# Altium PCB CL-HC-M-V2.1gerber.PcbDoc (part 5 of 18) (continued)
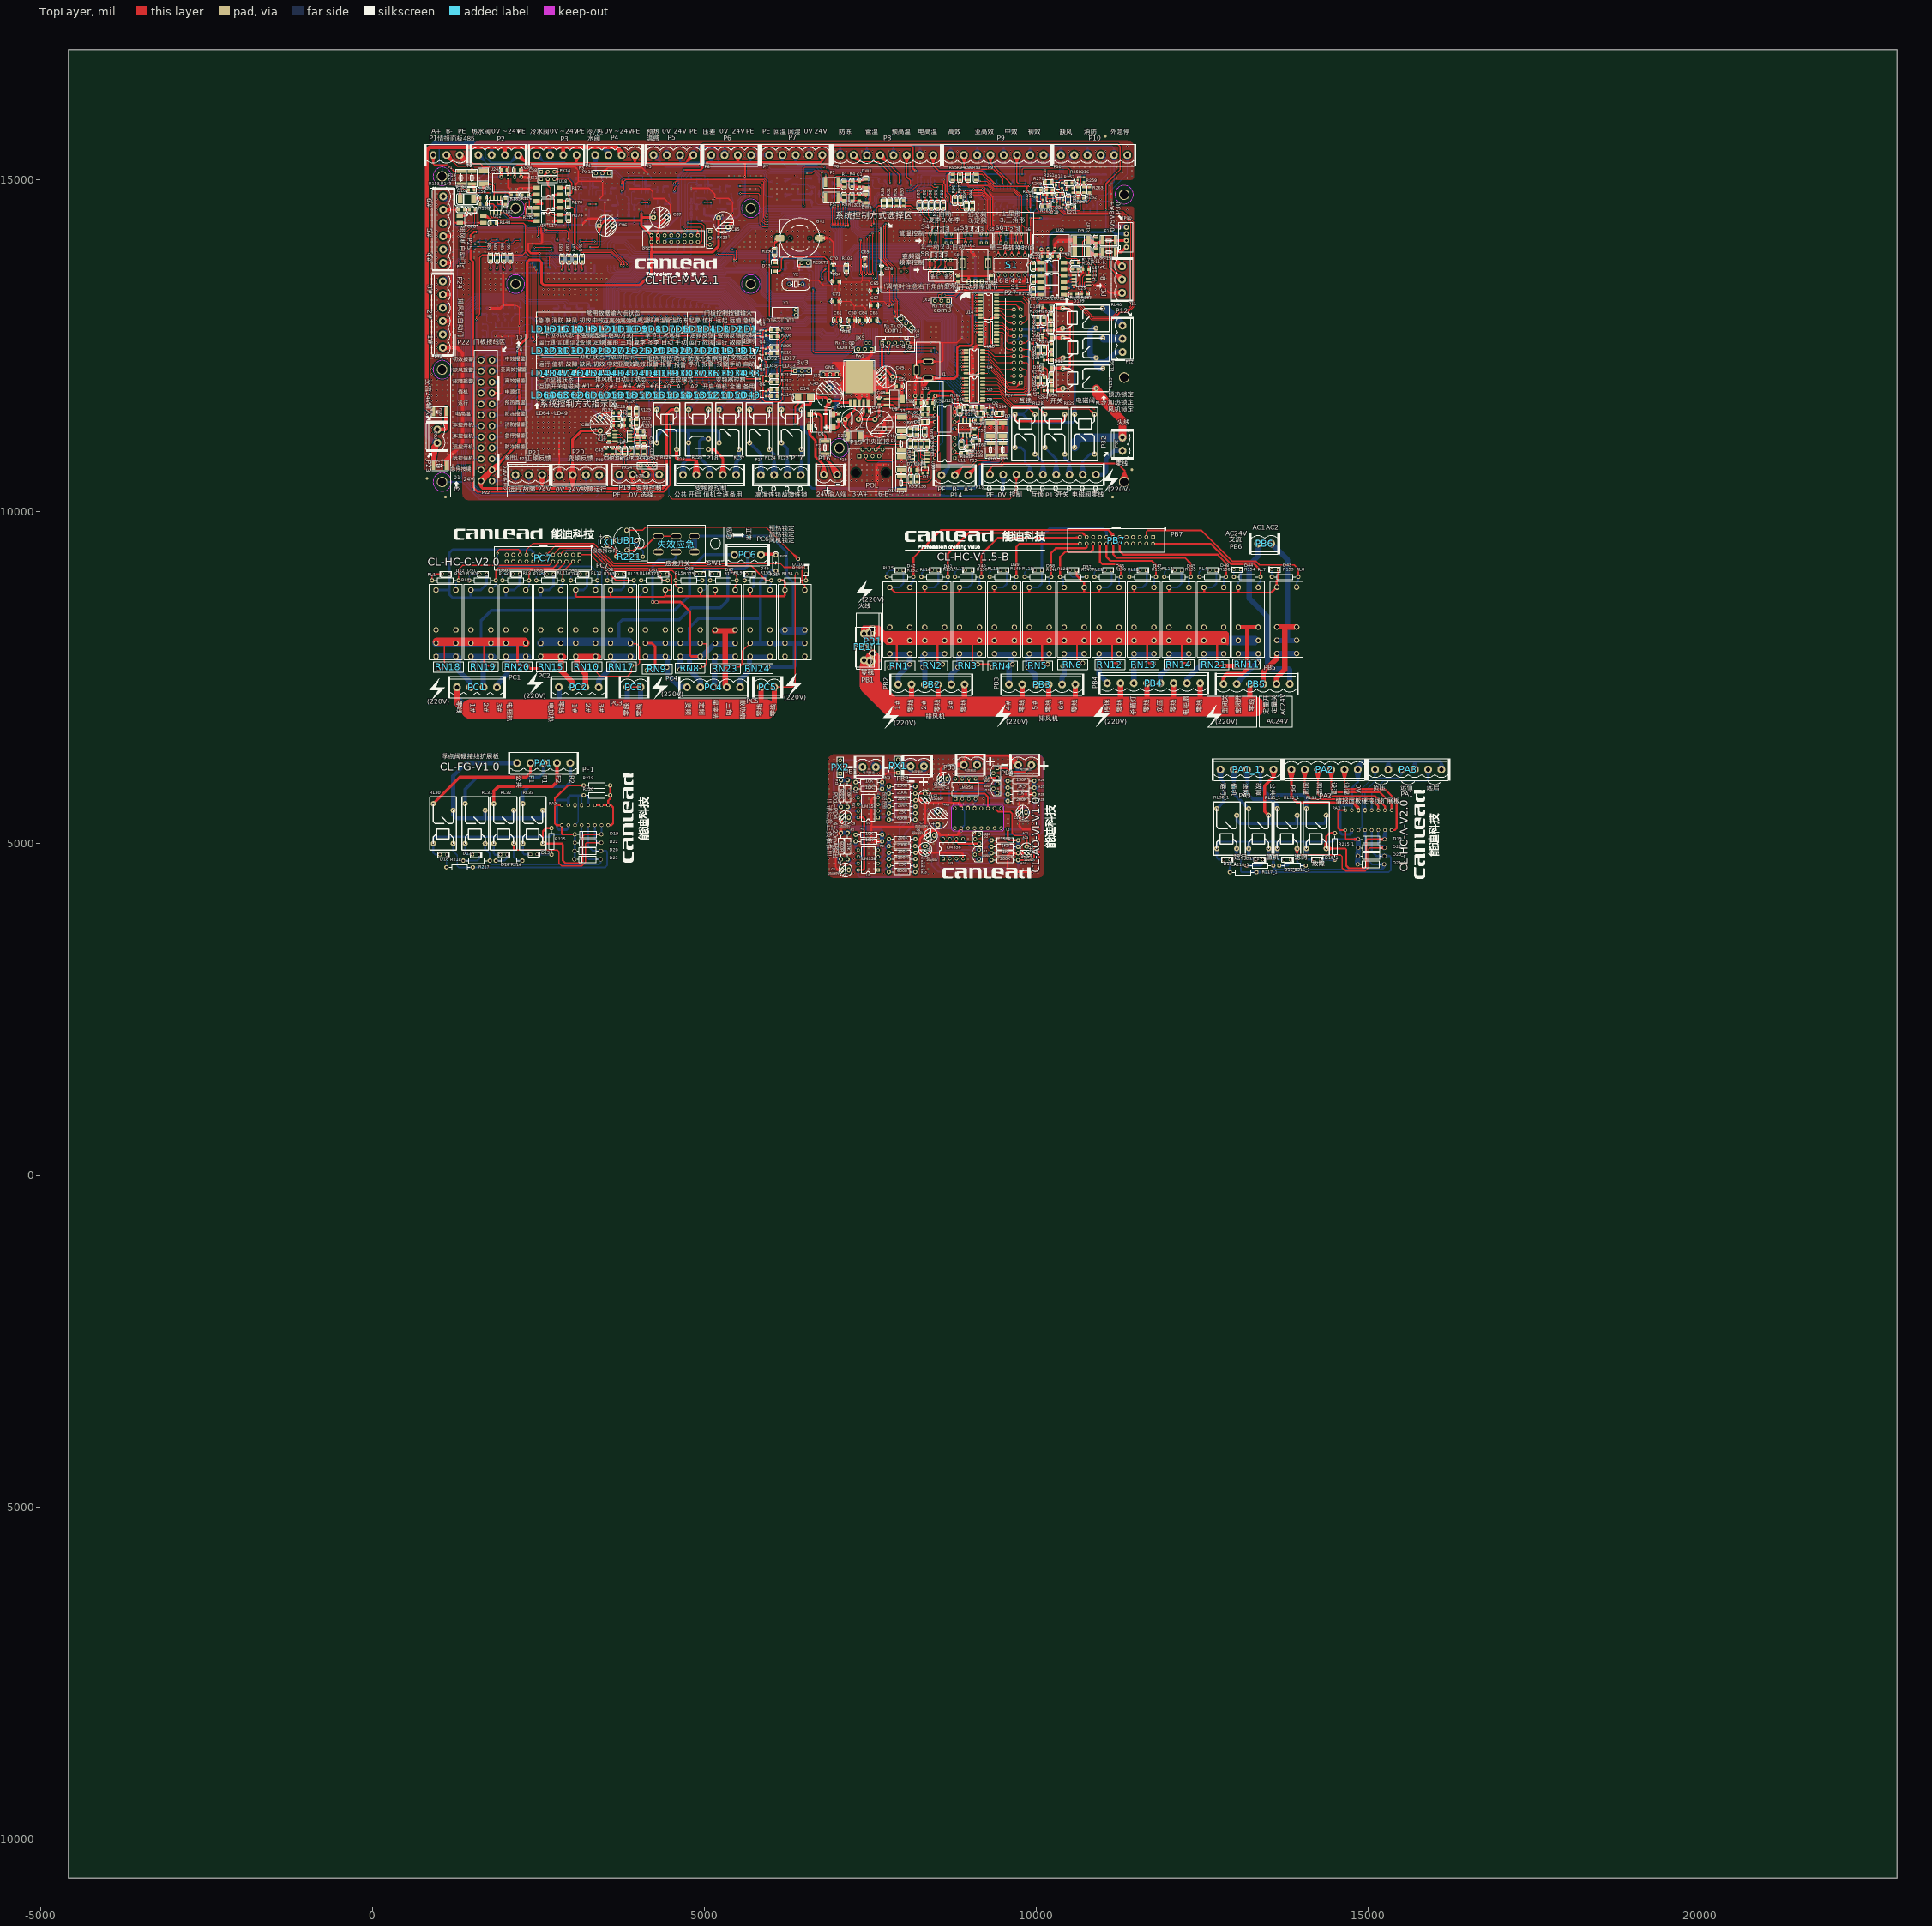
[diagram p0: TopLayer view]
## Nets (pads, with @x,y where several pads share a name; then routed paths per layer and width w, separated by ;. In a path a pad name is that pad's centre, name@x,y a point inside that pad or via, vN(x,y) a via of type N, cw(c..) or ccw(c..) an arc to the next point about the centre after c; other vN are vias at no path point) (continued)
  BottomLayer w10: v1@8476.24,14353.59 8483.71,14395.43 v1@8491.18,14353.59 ; v1@8476.24,14429.3 8483.71,14387.46 v1@8491.18,14429.3 ; v1(8483.71,14352.93) v1(8483.71,14429.96)
  BottomLayer w15: U29.13@8367.38,14748.36 v1@8367.38,14823.61 ; U29.13@8367.38,14766.4 v1(8367.09,14823.9) ; v1(8367.09,14823.9) v1@8367.38,14823.61 ; v1(8367.09,14823.9) 8367.38,14773.36 v1@8367.38,14823.61
3V<-本地值机: OP6.14 R150.1@1647.87,12729.49 U2.5@2362.38,12770.5 | length 1626
  BottomLayer w10: R150.1@1647.87,12729.49 1706.2,12729.49 1722.72,12712.97 1722.72,12528.11 1751.57,12499.27 1886.17,12499.27 1899.37,12512.46 ; R150.1@1650.12,12714.66 1697.87,12729.49 R150.1@1650.12,12744.32 ; OP6.14@1889.39,12610.84 1897.45,12655.17 ; OP6.14@1889.46,12548.83 1899.37,12512.46 ; OP6.14@1899.37,12550.16 1899.37,12512.46 ; OP6.14@1899.37,12610.16 1897.45,12655.17 ; OP6.14@1909.25,12611.69 1897.45,12655.17 ; OP6.14@1909.28,12548.83 1899.37,12512.46 ; U2.5@2335.8,12780.37 2292.36,12768.36 ; U2.5@2336.74,12760.52 2292.36,12768.36 ; U2.5@2337.38,12770.5 2292.36,12768.36 ; U2.5@2362.38,12770.5 2362.38,12768.36 2272.34,12768.36 2216.62,12712.64 1915.28,12712.64 1897.45,12694.8 1897.45,12580.04 OP6.14@1899.37,12580.16 1899.37,12512.46
3V<-本地运行: OP6.16 R149.1@1648.79,12826.25 U2.6@2362.38,12820.5 | length 1584.8
  BottomLayer w10: R149.1@1648.79,12826.25 1713.71,12826.25 1743.15,12796.8 1743.15,12599.39 1762.38,12580.16 ; R149.1@1651.04,12811.42 1698.79,12826.25 R149.1@1651.04,12841.08 ; OP6.16@1789.39,12610.84 1797.45,12655.17 ; OP6.16@1798.02,12570.25 1762.38,12580.16 ; OP6.16@1798.02,12590.06 1762.38,12580.16 ; OP6.16@1799.37,12610.16 1797.45,12655.17 ; OP6.16@1809.25,12611.69 1797.45,12655.17 ; U2.6@2335.78,12830.37 2292.87,12818.36 ; U2.6@2336.73,12810.52 2292.87,12818.36 ; U2.6@2337.38,12820.5 2292.87,12818.36 ; U2.6@2362.38,12820.5 2362.38,12818.36 2292.87,12818.36 ; 1762.38,12580.16 OP6.16@1797.45,12580.16 ; 1762.38,12580.16 OP6.16@1799.37,12580.16 OP6.16@1797.45,12580.16 ; OP6.16@1797.45,12580.16 1797.45,12701.45 1826.63,12730.64 2205.14,12730.64 2292.87,12818.36
3V<-远值使能: OP6.10 R152.1@1650.89,12557.35 U2.3@2362.38,12670.5 | length 1500
  BottomLayer w10: R152.1@1636.05,12550.1 1650.89,12502.35 ; R152.1@1650.89,12552.35 1650.89,12502.35 ; R152.1@1650.89,12557.35 1650.89,12495.44 1683.06,12463.27 1984.24,12463.27 2023.79,12502.81 2083.1,12502.81 2097.06,12516.78 ; R152.1@1665.72,12550.1 1650.89,12502.35 ; OP6.10@2089.4,12549.35 2097.06,12516.78 ; OP6.10@2089.43,12611.27 2099.37,12655.16 ; OP6.10@2097.06,12598.36 2097.06,12516.78 ; OP6.10@2099.37,12550.16 2097.06,12516.78 ; OP6.10@2099.37,12580.16 2099.37,12659.03 2116.35,12676.01 2266.15,12676.01 2273.79,12668.36 2362.38,12668.36 U2.3@2362.38,12670.5 ; OP6.10@2099.37,12610.16 2099.37,12655.16 ; OP6.10@2109.13,12547.98 2097.06,12516.78 ; OP6.10@2109.31,12611.27 2099.37,12655.16 ; U2.3@2335.79,12680.37 2292.36,12668.36 ; U2.3@2336.74,12660.52 2292.36,12668.36 ; U2.3@2337.38,12670.5 2292.36,12668.36
3V<-远起使能: OP6.12 R151.1@1648.79,12634.75 U2.4@2362.38,12720.5 | length 1643.6
  BottomLayer w10: R151.1@1648.79,12634.75 1693.07,12634.75 ; R151.1@1651.33,12619.96 1693.07,12634.75 ; R151.1@1651.33,12649.53 1693.07,12634.75 ; OP6.12@1989.39,12549.44 1997.45,12507.19 ; OP6.12@1989.39,12610.84 1997.45,12655.17 ; OP6.12@1989.5,12548.53 1997.06,12533.36 ; OP6.12@1997.06,12598.36 1997.06,12533.36 ; OP6.12@1999.37,12610.16 1997.45,12655.17 ; OP6.12@2008.43,12545.93 1997.06,12533.36 ; OP6.12@2009.24,12548.55 1997.45,12507.19 ; OP6.12@2009.25,12611.69 1997.45,12655.17 ; U2.4@2335.8,12730.37 2292.35,12718.36 ; U2.4@2336.74,12710.52 2292.35,12718.36 ; U2.4@2337.38,12720.5 2292.35,12718.36 ; U2.4@2362.38,12720.5 2362.38,12718.36 2251.26,12718.36 2227.53,12694.64 2016.59,12694.64 1997.45,12675.49 1997.45,12507.19 ; 1693.07,12634.75 1698.67,12629.14 1698.67,12520.36 1737.76,12481.27 1971.52,12481.27 1997.45,12507.19 ; 1997.06,12533.36 1999.37,12550.16 1997.45,12507.19
10V-面板-温度输入: F6.1 P26.16 PAX.16@9472.68,5230.32 | length 3005.1
  TopLayer w15: v1(4682.86,14286.91) 4934.06,14286.91 4967.71,14253.26 4967.71,14076.58 4954.24,14063.1 ; P26.16@4901.86,14063.1 4954.24,14063.1 ; P26.16@4906.5,14041.56 4954.24,14063.1 ; P26.16@4906.5,14084.63 4954.24,14063.1
  BottomLayer w15: v1(4682.86,14286.91) 4682.86,15044.12 4762.09,15123.35 5893.76,15123.35 5934.86,15082.26 5934.86,15003.83 5964.73,14973.96 ; F6.1@6020.38,14957.99 5964.73,14973.96 ; F6.1@6020.38,14989.92 5964.73,14973.96 ; F6.1@6022.63,14973.96 5964.73,14973.96
10V-面板-湿度输入: F2.1 P26.15 PAX.15@9472.68,5530.32 | length 2974.5
  TopLayer w15: v1(4716.65,14252.06) 4885.98,14252.06 4901.86,14236.18 ; P26.15@4880.09,14166.42 4901.86,14236.18 ; P26.15@4901.86,14163.1 4901.86,14236.18 ; P26.15@4923.64,14166.42 4901.86,14236.18
  BottomLayer w15: v1(4716.65,14252.06) 4716.65,15023.7 4791.3,15098.35 5884.34,15098.35 5908.12,15074.58 5908.12,14780.87 5942.23,14746.76 F2.1@6022.63,14746.76 ; F2.1@6020.74,14730.75 5954.01,14746.76 F2.1@6020.74,14762.77
24V: C5.1@8658.14,5969.36 C6.1@8462.69,5119.36 C7.1@8518.14,5279.36 C8.1@7175.45,4599.36 C9.1@7175.45,5389.36 C19.2 C20.2 C37.2 C39.2 C44.1 C45.1 C85.1 C86.1 C87.1 C88.1 D1.3 D14.A D37.A D38.A D39.A D40.A D41.A D42.A D43.A D44.A D45.A D46.A D47.A D48.A D49.A D50.A D51.A D52.A D53.A D54.A D55.A D61.A D65.A D67.A D95.K D97.K D109.K P5.2 P6.2 P7.1 P20.3 P21.3 P22.22 P22.23 P26.1 P26.2 P27.15 pad.0@2209.06,11519.1 pad.0@9570.82,5209.36 pad.0@13048.7,8849.39 PAX.1@8772.68,5530.32 PAX.2@8772.68,5230.32 PB7.15 PC7.15 Pw1.1 R22.1@9729.19,5046.84 R23.1@9728.14,4949.36 R26.1@9970.82,5939.36 R27.1@9970.82,5839.36 R264.1 R272.1 R285.1 R292.1 RL1.1 RL2.1 RL3.1 RL4.1 RL5.2 RL6.2 RL7.1 RL8.1 RL9.1 RL10.1 RL11.1 RL12.1 RL13.1 RL14.1 RL15.1 RL16.1 RL17.1 RL18.1 RL19.1 RL20.2 RL21.1 RL22.1 RL23.1 RL24.1 RL25.1 RL26.1 RL27.2 RL28.2 RL29.1 RL34.2 RL35.1 RL36.1 RL37.1 RL40.1 U1.8 U2.8@7317.03,5389.36 U3.8@8598.14,5068.99 U3.9 U4.8@8785.07,5969.36 U4.9 U5.8 U6.8 U7.8 U8.9 U14.9 U15.9 U25.9 U26.9 U27.9 | length 93438.6
  TopLayer w15: C88.1@3399.22,11210.96 3430.52,11132.61 ; C88.1@3413.73,11215.29 3430.52,11132.61 ; C88.1@3430.52,11216.98 3430.52,11078.68 3448.24,11060.96 C39.2@3560.43,11060.96 ; C88.1@3447.3,11215.29 3430.52,11132.61 ; 3452,11058.14 3649.97,11058.14 U7.8@3654.97,11063.14 ; C88.1@3461.81,11210.96 3430.52,11132.61 ; C39.2@3553.69,11073.34 3490.33,11058.14 ; C39.2@3554.23,11048.52 3490.43,11060.96 ; C39.2@3554.23,11073.4 3490.43,11060.96 ; C39.2@3554.77,11048.48 3490.33,11058.14 ; C39.2@3565.43,11060.96 U7.8@3630.51,11058.14 ; C39.2@3566.09,11048.48 U7.8@3630.51,11058.14 ; C39.2@3567.17,11073.34 U7.8@3630.51,11058.14 ; C39.2@3568.97,11072.91 U7.8@3626.97,11063.14 ; C39.2@3569.51,11060.78 U7.8@3626.97,11063.14 ; C39.2@3569.74,11058.14 U7.8@3626.97,11063.14 ; C39.2@3570.56,11049.15 U7.8@3626.97,11063.14 ; U3.9@9169.27,11659.99 9120.6,11659.99 ; U4.9@9169.27,12083.43 9120.84,12083.43 ; U3.9@9194.27,11659.99 9120.6,11659.99 ; U4.9@9219.27,12083.43 v1(9278.94,12083.43) ; 3490.33,11058.14 3555.43,11060.96 3490.43,11060.96 ; 9120.6,11659.99 9107.62,11672.97 9107.62,12070.2 9120.84,12083.43 ; 9120.84,12083.43 U4.9@9194.27,12083.43 v1(9278.94,12083.43) ; v1(9278.94,12083.43) 9221.44,12083.43 v1(9278.94,12083.43)
  TopLayer w20: v1(3277.81,13985.22) 3395.8,13985.22 3417.44,14006.86 C86.1@3417.44,14306.66 ; C86.1@3388.39,14302.32 3417.44,14207.29 C86.1@3446.49,14302.32 ; RL6.2@4412.49,8817.3 4484.39,8817.3 4506.58,8839.49 4506.58,9028.97 4478.69,9056.86 D61.A@4437.91,9056.86 ; 4935.72,8725.54 4938.36,8728.18 RL5.2@4938.36,8817.3 ; RL9.1@5164.24,8817.3 5164.24,8727.25 5165.95,8725.54
  TopLayer w30: RL12.1@3060.74,8817.3 3060.74,8729.3 3075.85,8714.18 3598.96,8714.18 ; RL13.1@3586.61,8817.3 3586.61,8726.53 3598.96,8714.18 ; RL6.2@4412.49,8817.3 4412.49,8735.99 4402.03,8725.54 ; v1@5036.55,15261.31 5494.51,15261.31 ; v1(5040.78,15259.91) 5143.33,15261.31 ; P6.2@5460.98,15359.52 5503.92,15270.72 ; P6.2@5503.92,15369.36 5503.92,15270.72 ; P6.2@5546.86,15359.52 5503.92,15270.72 ; v1(5610.86,15050.57) 5610.86,15259.44 5612.73,15261.31 ; RL10.1@5690.11,8817.3 5690.11,8727.37 5688.28,8725.54 ; R292.1@6131.3,8963.17 6187.93,8963.17 6214.61,8936.49 RL34.2@6214.61,8817.3 6214.61,8739.34 6200.82,8725.54 5688.28,8725.54 ; P7.1@6733.86,15359.05 6776.36,15287.11 ; P7.1@6776.36,15370.67 6776.36,15287.11 ; P7.1@6818.86,15359.05 6776.36,15287.11 ; U1.8@7317.03,4599.36 7388.14,4599.36 7408.14,4619.36 7408.14,5369.36 7388.14,5389.36 U2.8@7317.03,5389.36 ; RL15.1@7794.54,8856.66 7873.15,8778.05 13542.28,8778.05 RL8.1@13624.63,8860.4 ; 8318,8781.02 RL16.1@8318,8849.39 ; 8843.71,8781.02 RL17.1@8843.71,8849.39 ; 9310.86,12616.5 v1(9328.96,12504.98) ; 9369.43,8781.02 RL18.1@9369.43,8849.39 ; U14.9@9378.64,12917.5 9329.67,12917.5 ; U14.9@9403.64,12917.5 9329.67,12917.5 ; 9570.82,5094.36 pad.0@9570.82,5209.36 9570.82,5069.86 9593.83,5046.84 R22.1@9729.19,5046.84 ; RL28.2@9657.48,11459.72 9681.53,11388.36 ; RL28.2@9681.53,11463.66 9681.53,11388.36 ; RL28.2@9705.58,11459.72 9681.53,11388.36 ; 9895.14,8781.02 RL19.1@9895.14,8849.39 ; D95.K@10229.38,12156.36 R264.1@10228.39,12070.36 10228.39,12160.38 D95.K@10229.38,12161.36 10481.38,12161.36 ; RL40.1@10396.84,13037.33 10270.57,13067.82 ; RL36.1@10398.01,12621.37 D97.K@10229.38,12621.37 D97.K@10228.39,12620.39 ; RL40.1@10399.22,13085.8 10270.57,13067.82 ; RL35.1@10400.89,12130.88 10274.69,12161.36 ; RL36.1@10400.89,12590.89 10274.63,12621.37 ; RL35.1@10403.27,12179.34 10274.69,12161.36 ; RL36.1@10403.27,12639.36 10274.63,12621.37 ; RL40.1@10404.88,13037.52 10465.28,13061.46 ; RL40.1@10404.88,13085.39 10465.28,13061.46 ; RL35.1@10406.21,12179.3 10481.38,12161.36 ; RL36.1@10407.29,12590.82 10505.74,12615.01 ; RL36.1@10407.29,12639.2 10505.74,12615.01 ; RL29.1@10407.54,11459.38 10431.53,11394.36 ; RL35.1@10410.18,12131.33 10481.38,12161.36 ; RL29.1@10431.53,11463.66 10431.53,11394.36 ; RL29.1@10455.52,11459.38 10431.53,11394.36 ; D37.A@10609.64,9116.19 10609.64,9036.19 10720.85,8924.99 10720.85,8781.02 ; 10950.83,8781.02 RL21.1@10950.83,8849.39 ; 11476.54,8781.02 RL22.1@11476.54,8849.39 ; 12002.26,8781.02 RL14.1@12002.26,8849.39 ; 12530.74,8785.78 RL4.1@12530.74,8854.15 ; 13048.7,8781.02 pad.0@13048.7,8849.39 ; RL8.1@13625.98,8859.05 RL8.1@13624.63,8860.4 ; D43.A@13649.64,9126.19 13649.64,8986.19 13624.63,8961.18 RL8.1@13624.63,8860.4 ; 3598.96,8714.18 4390.68,8714.18 4402.03,8725.54 ; 4402.03,8725.54 4935.72,8725.54 5165.95,8725.54 5688.28,8725.54 ; 5494.51,15261.31 5503.92,15270.72 ; 5494.51,15261.31 5612.73,15261.31 ; 5612.73,15261.31 6750.56,15261.31 6776.36,15287.11 ; 9310.86,12522.49 9328.66,12504.68 v1@9328.81,12504.54 ; 9310.86,12522.49 9310.86,12898.69 9329.67,12917.5 ; 9310.86,12522.49 v1(9328.96,12504.98) ; 9310.86,12522.49 v1(9328.96,12504.98) ; v1@9328.81,12504.54 U15.9@9403.64,12504.54 v1(9328.96,12504.98) ; v1@9328.81,12504.54 9378.64,12504.54 v1(9328.96,12504.98) ; 9681.53,11388.36 9711.53,11358.36 10395.53,11358.36 10431.53,11394.36 ; R285.1@10222.34,12974.82 R285.1@10224.34,12976.82 ; R285.1@10222.34,12974.82 D109.K@10224.34,13066.83 ; R285.1@10222.34,12974.82 10225.32,13062.82 R285.1@10224.34,12976.82 ; R285.1@10224.34,12976.82 D109.K@10224.34,13066.83 ; D109.K@10224.34,13066.83 D109.K@10225.32,13067.82 10393.95,13067.82 RL40.1@10400.31,13061.46 ; R272.1@10226.39,12528.37 R272.1@10228.39,12530.37 ; R272.1@10226.39,12528.37 D97.K@10228.39,12620.39 ; R272.1@10226.39,12528.37 10229.38,12616.37 R272.1@10228.39,12530.37 ; R272.1@10228.39,12530.37 D97.K@10228.39,12620.39 ; 10270.57,13067.82 RL40.1@10400.31,13061.46 ; 10274.63,12621.37 RL36.1@10404.37,12615.01 10505.74,12615.01 ; 10274.69,12161.36 RL35.1@10404.37,12155 10481.38,12161.36 ; RL40.1@10400.31,13061.46 10465.28,13061.46 ; 10465.28,13061.46 10510.38,13016.36 10510.38,12610.38 ; 10481.38,12161.36 10510.38,12190.36 10510.38,12610.38 ; 10505.74,12615.01 10510.38,12610.38
  TopLayer w40: P22.23@1605.72,10456.27 1635.3,10371.51 ; P22.23@1613.28,10481.66 1748.69,10605.97 ; P22.23@1618.79,10486.33 1779.99,10574.68 ; P22.23@1655.67,10439.26 1779.99,10574.68 ; P22.23@1660.35,10444.77 1748.69,10605.97 ; P22.23@1664.88,10456.27 1635.3,10371.51 ; P22.22@1777.84,10646.12 P22.23@1665.8,10491.79 ; P22.22@1781.18,10649.46 1935.51,10761.49 P22.22@1823.47,10607.16 ; P22.22@1820.14,10603.82 P22.23@1665.8,10491.79 ; 2207.56,11374.06 pad.0@2209.06,11519.1 2209.06,12500.15 2330.19,12621.28 2330.19,13757.86 2366.08,13793.76 2506.65,13793.76 2547.04,13753.37 2547.04,13446.02 2585.17,13407.9 4023.09,13407.9 4201.86,13586.67 4201.86,13907.6 ; pad.0@2209.06,11519.1 2207.56,11517.6 2207.56,11033.54 P22.22@1800.66,10626.64 ; P21.3@2516.03,10544.57 2554.81,10384.46 ; P21.3@2554.81,10549.2 2554.81,10384.46 ; P21.3@2593.59,10544.57 2554.81,10384.46 ; P20.3@2975.99,10553.46 3014.81,10728.25 P20.3@3053.63,10553.46 ; P20.3@2976.02,10544.64 3014.81,10382.08 ; P20.3@3053.59,10544.64 3014.81,10382.08 ; C86.1@3417.44,14306.66 3499.68,14388.9 4050.14,14388.9 ; C88.1@3430.52,11216.98 3149.21,11216.98 3014.81,11082.57 P20.3@3014.81,10549.2 3014.81,10382.08 ; C87.1@4232.38,14431.89 4053.88,14431.89 4050.14,14435.63 ; RL26.1@4582.76,11535.04 4499.05,11535.04 4434.24,11470.22 4434.24,10410.22 4372.38,10348.37 3048.52,10348.37 ; C85.1@5216.48,14427.22 5216.48,14003.86 5120.22,13907.6 4201.86,13907.6 ; D14.A@6568.5,11715.81 6598.18,11616.35 ; D14.A@6600.83,11690.26 6768.18,11720.15 D14.A@6600.83,11750.03 ; D14.A@6627.87,11715.81 6598.18,11616.35 ; D1.3@6931.83,11246.79 6837.38,11269.93 ; D1.3@6931.83,11293.07 6837.38,11269.93 ; D1.3@6938.43,11246.94 7005.82,11269.93 ; D1.3@6938.43,11292.93 7005.82,11269.93 ; C44.1@7022.52,11382.45 7022.52,11286.63 7005.82,11269.93 ; 7056.82,11642.84 Pw1.1@7197.88,11642.84 7047.8,11642.84 7024.03,11666.61 C45.1@6882.38,11666.61 ; 1635.3,10371.51 1658.45,10348.37 2590.9,10348.37 ; 1635.3,10371.51 P22.23@1635.3,10461.29 ; 1635.3,10371.51 P22.23@1635.3,10461.29 ; P22.23@1635.3,10461.29 P22.22@1800.66,10626.64 ; P22.23@1635.3,10461.29 1779.99,10574.68 ; P22.23@1635.3,10461.29 1748.69,10605.97 ; P22.23@1635.3,10461.29 P22.22@1770.16,10596.14 ; P22.23@1665.8,10491.79 P22.22@1800.66,10626.64 ; P22.22@1770.16,10596.14 1615.82,10484.1 P22.22@1770.16,10596.14 ; P22.22@1770.16,10596.14 1658.12,10441.81 P22.22@1770.16,10596.14 ; 2554.81,10384.46 2590.9,10348.37 ; 2590.9,10348.37 3048.52,10348.37 ; 3014.81,10382.08 3048.52,10348.37 ; 4050.14,14388.9 4050.14,14314.82 P26.1@4201.86,14163.1 P26.2@4201.86,14063.1 4201.86,13907.6 ; 4050.14,14388.9 4050.14,14435.63 ; 4050.14,14435.63 v1(4050.13,14493.58) 4050.14,14435.63 ; RL23.1@6462.76,11535.04 6462.76,11588.37 ; RL23.1@6462.76,11535.04 6480.44,11606.04 ; RL23.1@6462.76,11535.04 6462.76,11588.37 ; 6462.76,11588.37 6480.44,11606.04 ; 6480.44,11606.04 6587.88,11606.04 6598.18,11616.35 ; 6598.18,11616.35 D14.A@6598.18,11720.15 6828.84,11720.15 ; 6828.27,11558 6828.27,11279.04 6837.38,11269.93 ; 6828.27,11558 6882.38,11612.11 ; 6828.27,11558 C45.1@6882.38,11666.61 ; 6828.84,11720.15 C45.1@6882.38,11666.61 ; 6828.84,11720.15 C45.1@6882.38,11666.61 ; 6837.38,11269.93 D1.3@6934.62,11269.93 7005.82,11269.93 ; 6882.38,11612.11 C45.1@6882.38,11666.61 ; 6882.38,11612.11 C45.1@6882.38,11666.61
  BottomLayer w15: C19.2@3250.3,14423.91 3262.74,14487.71 ; C19.2@3262.74,14417.71 3262.74,14548.68 U1.8@3267.74,14553.68 ; C19.2@3262.74,14422.71 3262.74,14487.71 ; 3262.74,14468.5 U1.8@3267.74,14525.68 ; C19.2@3275.18,14423.91 3262.74,14487.71 ; v1@4056.15,14489.36 4061.15,14546.54 v1(4050.13,14493.58) ; U5.8@4056.15,14552.05 v1(4050.13,14493.58) ; U5.8@4061.15,14574.54 4056.15,14569.54 C20.2@4056.15,14438.57 v1(4050.13,14493.58) ; U6.8@4996.86,14574.25 U6.8@5001.86,14579.25 ; v1(9278.94,12083.43) 9278.94,12486.59 9297.34,12504.98 v1(9328.96,12504.98) 9477.18,12504.98 9569.41,12597.21 9719.35,12597.21 ; P27.15@9748.07,12656.64 9719.35,12597.21 ; P27.15@9778.79,12625.93 9719.35,12597.21 ; v1(4050.13,14493.58) 4056.15,14508.57 ; v1(4050.13,14493.58) 4043.71,14444.77 4056.15,14508.57 ; v1(4050.13,14493.58) 4068.6,14444.77 4056.15,14508.57 ; v1(4050.13,14493.58) 4056.15,14508.57 ; v1(4050.13,14493.58) 4056.15,14508.57 ; v1(4050.13,14493.58) 4056.15,14443.57 4056.15,14508.57 ; 9719.35,12597.21 P27.15@9766.03,12643.88 9719.35,12597.21
  BottomLayer w20: C19.2@3262.74,14412.71 3267.74,14332.44 ; C19.2@3262.74,14422.71 3267.74,14503.04 ; 3267.74,14453.68 U1.8@3267.74,14525.68 ; U1.8@3267.74,14553.68 3267.74,14325.05 3286.14,14306.66 C86.1@3417.44,14306.66 ; U26.9@3342.74,13960.04 3292.92,13960.04 ; C86.1@3413.1,14277.61 3318.07,14306.66 C86.1@3413.1,14335.7 ; RL5.2@4938.36,8817.3 5007.51,8817.3 5026.95,8836.74 5026.95,9022.82 D65.A@4987.91,9061.86 4987.91,9111.86 4997.91,9121.86 5197.91,9121.86 5217.18,9102.59 D67.A@5217.18,9062.78 ; 6210.95,11718.83 U27.9@6210.95,11793.83 ; U27.9@6210.95,11818.83 6210.95,11620.62 6296.53,11535.04 RL23.1@6462.76,11535.04 ; RL23.1@6458.42,11505.99 6363.39,11535.04 RL23.1@6458.42,11564.08 ; 3292.92,13960.04 3277.81,13975.15 v1(3277.81,13985.22) 3292.92,13960.04
  BottomLayer w30: U25.9@2307.38,11616.61 2397.36,11616.61 ; U8.9@2307.38,12086.08 2391.42,12086.08 ; U25.9@2332.38,11616.61 2397.36,11616.61 ; U8.9@2332.38,12086.08 2391.42,12086.08 ; 2399.13,11565.33 2397.36,11616.61 ; 2404.1,12073.4 2391.42,12086.08 ; P5.2@4591.05,15360.19 4633.84,15278.07 ; P5.2@4633.84,15370.67 4633.84,15278.07 ; P5.2@4676.63,15360.19 4633.84,15278.07 ; 4938.28,15259.91 v1(5040.78,15259.91) 4652,15259.91 4633.84,15278.07 ; U6.8@4996.86,14574.25 4996.86,14478.28 ; U6.8@5001.86,14551.25 4996.86,14478.28 ; 5161.9,14422.12 C37.2@5054.19,14458.06 ; 5163.71,14438.19 C37.2@5054.19,14458.06 ; 5164.18,14453.83 C37.2@5054.19,14458.06 ; 5164.19,14458.06 C37.2@5054.19,14458.06 ; C85.1@5209.61,14403.83 C37.2@5068.19,14458.06 ; C85.1@5218.52,14402.93 5362.15,14427.22 C85.1@5218.52,14451.5 ; C85.1@5219.5,14451.4 C37.2@5068.19,14458.06 ; 5610.86,14948.07 v1(5610.86,15050.57) 5610.86,14745.9 5531.62,14666.66 5531.62,14470.4 5488.44,14427.22 C85.1@5216.48,14427.22 ; RL10.1@5690.11,8817.3 5740.11,8867.3 D49.A@5740.11,9056.86 ; C8.1@7175.45,4599.36 U1.8@7317.03,4599.36 7317.03,4515.98 7343.65,4489.36 7940.16,4489.36 8021.61,4570.81 8021.61,5149.36 8151.61,5279.36 C7.1@8518.14,5279.36 ; C9.1@7175.45,5389.36 U2.8@7317.03,5389.36 C9.1@7202.03,5389.36 ; RL15.1@7794.54,8856.66 7938.52,8856.66 7999.64,8917.78 D42.A@7999.64,9116.19 ; RL16.1@8320.17,8856.66 8464.16,8856.66 8525.28,8917.78 D41.A@8525.28,9116.19 ; C6.1@8462.69,5119.36 8518.14,5119.36 ; C7.1@8482.35,5267.07 8518.14,5231.28 ; C7.1@8493.88,5277.06 8518.14,5149.99 C7.1@8542.4,5277.06 ; C7.1@8515.84,5255.1 8388.77,5279.36 C7.1@8515.84,5303.62 ; 8568.18,5229.31 8567.18,5230.32 ; 8688.14,5831.58 C5.1@8658.14,5957.55 ; PAX.2@8772.68,5230.32 8688.14,5230.32 ; PAX.1@8772.68,5530.32 8724.89,5530.32 ; U4.8@8785.07,5969.36 C5.1@8658.14,5969.36 8688.14,5939.36 ; RL17.1@8845.81,8856.66 8975.74,8856.66 9035.28,8916.19 D40.A@9035.28,9116.19 ; RL18.1@9371.44,8856.66 9501.38,8856.66 9560.91,8916.19 D39.A@9560.91,9116.19 ; pad.0@9570.82,5209.36 9998.14,5209.36 10048.14,5259.36 10048.14,5809.36 ; R23.1@9710.69,4947.97 R22.1@9711.76,5045.25 ; R23.1@9710.73,4951.12 R22.1@9729.19,5046.84 ; R23.1@9711.32,4954.19 R22.1@9746.62,5045.25 ; R23.1@9726.86,4931.9 9608.14,4949.36 ; R23.1@9726.86,4966.81 9608.14,4949.36 ; R23.1@9745.05,4953.84 R22.1@9711.76,5045.25 ; R23.1@9745.55,4947.6 R22.1@9746.62,5045.25 ; R23.1@9745.58,4950.74 R22.1@9729.19,5046.84 ; P27.15@9766.03,12643.88 9863.3,12643.88 9883.63,12623.56 9883.63,11550.14 9797.16,11463.66 ; RL19.1@9897.07,8856.66 10027.01,8856.66 10086.54,8916.19 D38.A@10086.54,9116.19 ; R26.1@9953.38,5937.83 R27.1@9970.82,5839.36 ; R26.1@9953.38,5940.89 R27.1@9953.38,5840.89 ; R26.1@9953.92,5934.81 R27.1@9988.25,5840.89 ; R27.1@9966.24,5822.47 10048.14,5809.36 ; R27.1@9978.83,5854.91 10048.14,5809.36 ; R26.1@9987.72,5934.81 R27.1@9953.38,5840.89 ; R26.1@9988.25,5937.83 R27.1@9970.82,5839.36 ; R26.1@9988.25,5940.89 R27.1@9988.25,5840.89 ; RL35.1@10404.37,12155 10531.74,12155 ; RL35.1@10406.7,12130.74 10531.74,12155 ; RL35.1@10406.7,12179.26 10531.74,12155 ; RL27.2@10555.34,11466.22 10579.6,11593.29 RL27.2@10603.86,11466.22 ; RL27.2@10579.6,11463.92 10579.6,12107.13 10531.74,12155 ; RL21.1@10948.34,8856.66 11078.27,8856.66 11137.81,8916.19 D46.A@11137.81,9116.19 ; RL22.1@11473.97,8856.66 11603.91,8856.66 11663.44,8916.19 D47.A@11663.44,9116.19 ; RL14.1@11999.6,8856.66 12129.54,8856.66 12189.07,8916.19 D45.A@12189.07,9116.19 ; RL4.1@12525.23,8856.66 12655.17,8856.66 12714.7,8916.19 D48.A@12714.7,9116.19 ; RL7.1@13045.26,8857.78 13045.26,8931.8 13079.64,8966.19 D44.A@13079.64,9126.19 ; 4996.86,14478.28 5017.09,14458.06 ; 4996.86,14478.28 C37.2@5044.19,14458.06 ; 5017.09,14458.06 C37.2@5049.19,14458.06 5185.64,14458.06 C85.1@5216.48,14427.22 ; 5017.09,14458.06 C37.2@5044.19,14458.06 ; 5017.09,14458.06 C37.2@5044.19,14458.06 ; C37.2@5068.19,14458.06 C85.1@5216.48,14427.22 ; C7.1@8494.5,5273.42 8518.14,5229.36 ; C7.1@8494.5,5273.42 8518.14,5229.36 ; C7.1@8494.5,5273.42 8518.14,5229.36 ; C7.1@8494.56,5273.18 8518.14,5231.28 ; C7.1@8494.56,5273.18 8518.14,5231.28 ; C7.1@8494.56,5273.18 8518.14,5231.28 ; C7.1@8494.56,5273.18 8518.14,5231.28 ; C7.1@8494.66,5272.84 8519.1,5230.32 ; C7.1@8494.66,5272.84 8519.1,5230.32 ; C7.1@8494.66,5272.84 8519.1,5230.32 ; 8518.14,5119.36 8518.14,4679.36 8568.14,4629.36 9548.66,4629.36 9578.14,4658.83 9578.14,4919.36 9608.14,4949.36 ; 8518.14,5119.36 8518.14,5129.36 ; 8518.14,5129.36 8528.14,5119.36 8568.15,5119.36 ; 8518.14,5129.36 8518.14,5229.36 ; 8518.14,5229.36 8519.1,5230.32 ; 8518.14,5229.36 8518.14,5231.28 ; 8518.14,5229.36 C7.1@8541.77,5273.42 ; 8518.14,5229.36 C7.1@8518.14,5279.36 ; 8518.14,5229.36 C7.1@8541.77,5273.42 ; 8518.14,5229.36 C7.1@8541.77,5273.42 ; 8518.14,5231.28 C7.1@8518.14,5279.36 ; 8518.14,5231.28 8519.1,5230.32 ; 8518.14,5231.28 C7.1@8541.71,5273.18 ; 8518.14,5231.28 C7.1@8541.71,5273.18 ; 8518.14,5231.28 C7.1@8518.14,5279.36 ; 8518.14,5231.28 C7.1@8541.71,5273.18 ; 8518.14,5231.28 C7.1@8541.71,5273.18 ; 8518.14,5231.28 C7.1@8518.14,5279.36 ; C7.1@8518.14,5279.36 8567.18,5230.32 ; C7.1@8518.14,5279.36 8519.1,5230.32 ; C7.1@8518.14,5279.36 8519.1,5230.32 ; C7.1@8518.14,5279.36 8567.18,5230.32 ; C7.1@8518.14,5279.36 8519.1,5230.32 ; 8519.1,5230.32 8567.18,5230.32 ; 8519.1,5230.32 C7.1@8541.86,5273.77 ; 8519.1,5230.32 C7.1@8541.86,5273.77 ; 8519.1,5230.32 C7.1@8541.86,5273.77 ; 8567.18,5230.32 8688.14,5230.32 ; 8567.18,5230.32 8538.13,5293.29 8567.18,5230.32 ; 8567.18,5230.32 8504.2,5259.37 8567.18,5230.32 ; 8568.15,5119.36 8598.14,5089.37 U3.8@8598.14,5068.99 8568.15,5119.36 ; C5.1@8658.14,5957.55 8688.14,5939.36 ; C5.1@8658.14,5957.55 8688.14,5939.36 ; 8688.14,5230.32 8688.14,5493.57 ; 8688.14,5493.57 8724.89,5530.32 ; 8688.14,5493.57 8688.14,5567.07 ; 8688.14,5567.07 8724.89,5530.32 ; 8688.14,5567.07 8688.14,5939.36 ; 9608.14,4949.36 R23.1@9728.14,4949.36 ; R22.1@9711.76,5045.25 R23.1@9729.19,4950.41 ; R22.1@9711.76,5045.25 R23.1@9728.14,4949.36 ; R23.1@9728.14,4949.36 R23.1@9729.19,4950.41 ; R23.1@9728.14,4949.36 R22.1@9729.19,5046.84 ; R23.1@9728.14,4949.36 R22.1@9746.62,5045.25 ; R23.1@9729.19,4950.41 R22.1@9729.19,5046.84 ; R23.1@9729.19,4950.41 R22.1@9746.62,5045.25 ; R27.1@9953.38,5840.89 R26.1@9970.82,5939.36 ; R27.1@9970.82,5839.36 R26.1@9970.82,5939.36 ; R27.1@9970.82,5839.36 10018.14,5839.36 ; R27.1@9970.82,5839.36 10048.14,5809.36 ; R27.1@9970.82,5839.36 10018.14,5839.36 ; R26.1@9970.82,5939.36 R27.1@9988.25,5840.89 ; 10018.14,5839.36 10048.14,5809.36 ; 10018.14,5839.36 9974.05,5856.56 10018.14,5839.36 ; 10018.14,5839.36 9974.05,5822.16 10018.14,5839.36
  BottomLayer w40: RL1.1@957.25,8817.3 1157.47,8817.3 1157.91,8816.86 ; D51.A@1717.91,9056.86 1717.91,8901.86 1633.35,8817.3 RL2.1@1483.12,8817.3 1483.12,8705.36 1478.99,8701.23 ; pad.0@2209.06,11519.1 2352.89,11519.09 ; pad.0@2209.06,11519.1 2352.89,11519.09 ; D50.A@2217.91,9056.86 2217.91,8901.86 2133.35,8817.3 RL3.1@2008.99,8817.3 2008.99,8701.76 2008.46,8701.23 ; 2404.1,12073.4 2404.1,11570.3 2399.13,11565.33 2352.89,11519.09 ; PC7.15@2420.26,9348.44 2420.26,9391.74 2385.8,9426.21 1207.26,9426.21 1157.91,9376.86 D52.A@1157.91,9056.86 1157.91,8816.86 ; D55.A@2727.91,9056.86 2727.91,8884.51 2660.7,8817.3 RL11.1@2534.87,8817.3 2534.87,8706.99 2540.63,8701.23 ; D54.A@3233.55,9056.86 3233.55,8870.15 3180.7,8817.3 RL12.1@3060.74,8817.3 3060.74,8720.32 3041.65,8701.23 2540.63,8701.23 ; RL13.1@3586.61,8817.3 3748.35,8817.3 3787.91,8856.86 D53.A@3787.91,9056.86 ; RL26.1@4582.76,11535.04 4582.76,11457.47 4629.06,11411.17 5072.38,11411.17 ; RL25.1@5062.76,11535.04 5062.76,11420.8 5072.38,11411.17 ; 5522.76,11420.8 RL37.1@5522.76,11535.04 ; 5982.76,11420.8 RL24.1@5982.76,11535.04 ; RL23.1@6462.76,11535.04 6462.76,11445.75 ; D38.A@10086.54,9116.19 10086.54,9626.19 10206.14,9745.79 11010.05,9745.79 11059.64,9696.19 PB7.15@11059.64,9616.19 ; RL27.2@10579.6,11463.92 10579.6,11364.34 10556.88,11341.62 9919.2,11341.62 9797.16,11463.66 RL28.2@9681.53,11463.66 ; 1157.91,8816.86 1157.91,8748.79 1205.47,8701.23 1478.99,8701.23 ; 1478.99,8701.23 2008.46,8701.23 ; 2008.46,8701.23 2540.63,8701.23 ; 5072.38,11411.17 6428.19,11411.17 ; 6428.19,11411.17 6462.76,11445.75 ; 6428.19,11411.17 6462.76,11376.6 ; 6462.76,11376.6 6462.76,11267.13 6570.09,11159.8 6570.09,10403.1 6625,10348.19 9076.02,10348.19 9155.05,10427.23 9155.05,10690.76 9202.48,10738.2 9409.69,10738.2 9567.59,10896.1 9567.59,11381.31 ; 6462.76,11376.6 6462.76,11445.75 ; 9567.59,11381.31 9649.95,11463.66 RL28.2@9681.53,11463.66 ; 9567.59,11381.31 RL28.2@9681.53,11463.66